# Altium PCB EDA-03518-V3-0_pcb.pcbdoc (part 11 of 14) (continued)
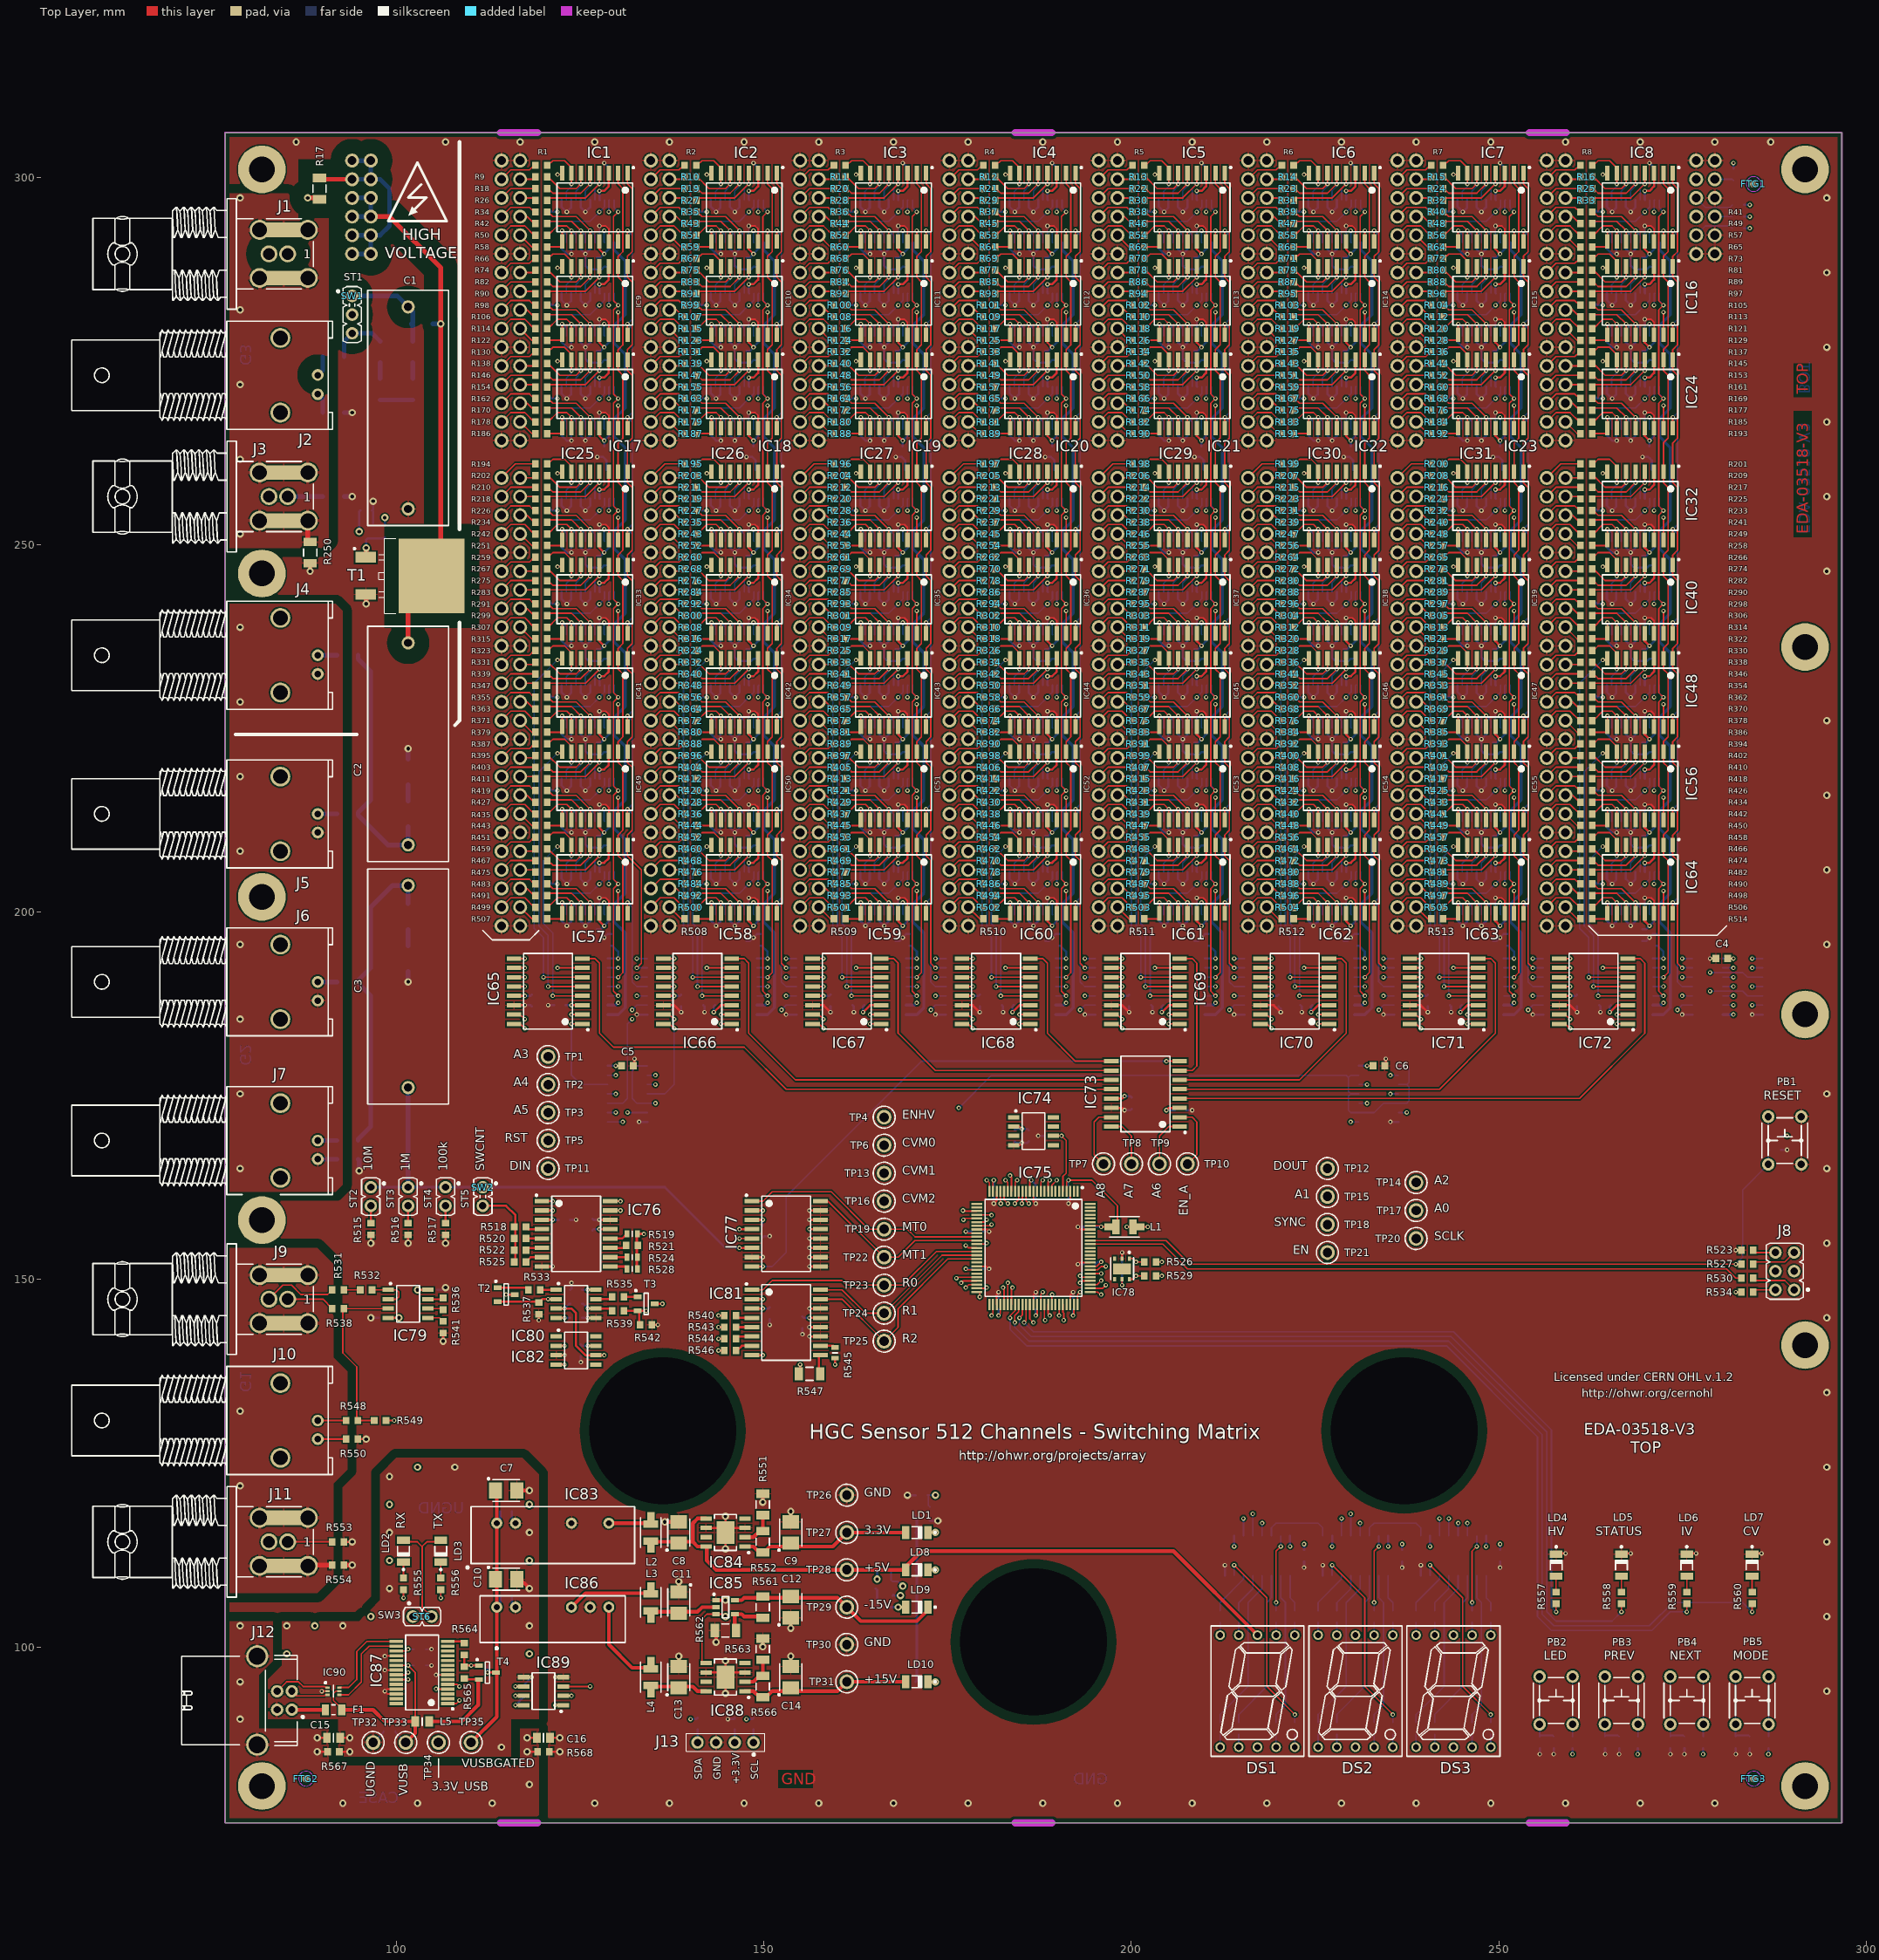
[diagram p0: Top Layer view]
## Nets (pads, with @x,y where several pads share a name; then routed paths per layer and width w, separated by ;. In a path a pad name is that pad's centre, name@x,y a point inside that pad or via, vN(x,y) a via of type N, cw(c..) or ccw(c..) an arc to the next point about the centre after c; other vN are vias at no path point) (continued)
NetIC51_11: IC51.11 IC144.7 R429.2 | length 8.6
  Top Layer w0.203: R429.2@161.138,214.947 161.455,215.265 164.465,215.265 v1(165.735,213.995) IC51.11@165.735,212.52
  Bottom Layer w0.203: v1(165.735,213.995) 166.362,213.368 IC144.7@166.362,212.365
NetIC51_12: IC51.12 IC144.5 R421.2 | length 10.3
  Top Layer w0.203: R421.2@161.138,216.535 161.29,216.535 161.925,215.9 165.1,215.9 v1(167.005,213.995) IC51.12@167.005,212.52
  Bottom Layer w0.203: v1(167.005,213.995) 167.662,213.338 IC144.5@167.662,212.365
NetIC52_4: IC52.4 IC143.20 R414.2 | length 12
  Top Layer w0.203: R414.2@181.458,218.123 181.775,218.44 186.69,218.44 v1(188.595,220.345) IC52.4@188.595,221.82
  Bottom Layer w0.203: IC143.20@187.982,218.165 187.982,219.732 v1(188.595,220.345)
NetIC52_5: IC52.5 IC143.18 R406.2 | length 10.6
  Top Layer w0.203: R406.2@181.458,219.71 181.61,219.71 182.245,219.075 186.055,219.075 v1(187.325,220.345) IC52.5@187.325,221.82
  Bottom Layer w0.203: IC143.18@186.682,218.165 186.682,219.385 187.325,220.028 v1(187.325,220.345)
NetIC52_6: IC52.6 IC143.16 R398.2 | length 9.5
  Top Layer w0.203: R398.2@181.458,221.297 181.61,221.297 183.197,219.71 185.42,219.71 v1(186.055,220.345) IC52.6@186.055,221.82
  Bottom Layer w0.203: IC143.16@185.382,218.165 185.382,219.355 186.055,220.028 v1(186.055,220.345)
NetIC52_7: IC52.7 IC143.14 R390.2 | length 8.7
  Top Layer w0.203: R390.2@181.458,222.885 181.61,222.885 182.245,223.52 183.832,223.52 184.785,222.567 IC52.7@184.785,221.82 v1(184.785,220.345)
  Bottom Layer w0.203: IC143.14@184.082,218.165 184.082,219.325 184.785,220.028 v1(184.785,220.345)
NetIC52_8: IC52.8 IC68.5 | length 38.7
  Top Layer w0.203: v1(181.61,189.865) IC68.5@186.26,189.865 ; v1(182.88,221.615) 183.31,221.615 IC52.8@183.515,221.82
  Bottom Layer w0.203: v1(181.61,189.865) 181.61,196.85 180.34,198.12 180.34,219.075 v1(182.88,221.615)
NetIC52_9: IC52.9 IC143.11 R446.2 | length 6.1
  Top Layer w0.203: R446.2@181.458,211.772 183.515,211.772 IC52.9@183.515,212.52 v1(183.515,213.995)
  Bottom Layer w0.203: v1(183.515,213.995) 184.082,213.428 IC143.11@184.082,212.365
NetIC52_10: IC52.10 IC143.9 R438.2 | length 7.5
  Top Layer w0.203: R438.2@181.458,213.36 181.61,213.36 182.88,214.63 184.15,214.63 v1(184.785,213.995) IC52.10@184.785,212.52
  Bottom Layer w0.203: v1(184.785,213.995) 185.382,213.398 IC143.9@185.382,212.365
NetIC52_11: IC52.11 IC143.7 R430.2 | length 8.6
  Top Layer w0.203: R430.2@181.458,214.947 181.775,215.265 184.785,215.265 v1(186.055,213.995) IC52.11@186.055,212.52
  Bottom Layer w0.203: v1(186.055,213.995) 186.682,213.368 IC143.7@186.682,212.365
NetIC52_12: IC52.12 IC143.5 R422.2 | length 10.3
  Top Layer w0.203: R422.2@181.458,216.535 181.61,216.535 182.245,215.9 185.42,215.9 v1(187.325,213.995) IC52.12@187.325,212.52
  Bottom Layer w0.203: v1(187.325,213.995) 187.982,213.338 IC143.5@187.982,212.365
NetIC53_4: IC53.4 IC142.20 R415.2 | length 12
  Top Layer w0.203: R415.2@201.778,218.123 202.095,218.44 207.01,218.44 v1(208.915,220.345) IC53.4@208.915,221.82
  Bottom Layer w0.203: IC142.20@208.302,218.165 208.302,219.732 v1(208.915,220.345)
NetIC53_5: IC53.5 IC142.18 R407.2 | length 10.6
  Top Layer w0.203: R407.2@201.778,219.71 201.93,219.71 202.565,219.075 206.375,219.075 v1(207.645,220.345) IC53.5@207.645,221.82
  Bottom Layer w0.203: IC142.18@207.002,218.165 207.002,219.385 207.645,220.028 v1(207.645,220.345)
NetIC53_6: IC53.6 IC142.16 R399.2 | length 9.5
  Top Layer w0.203: R399.2@201.778,221.297 201.93,221.297 203.517,219.71 205.74,219.71 v1(206.375,220.345) IC53.6@206.375,221.82
  Bottom Layer w0.203: IC142.16@205.702,218.165 205.702,219.355 206.375,220.028 v1(206.375,220.345)
NetIC53_7: IC53.7 IC142.14 R391.2 | length 8.7
  Top Layer w0.203: R391.2@201.778,222.885 201.93,222.885 202.565,223.52 204.153,223.52 205.105,222.567 IC53.7@205.105,221.82 v1(205.105,220.345)
  Bottom Layer w0.203: IC142.14@204.402,218.165 204.402,219.325 205.105,220.028 v1(205.105,220.345)
NetIC53_8: IC53.8 IC69.5 | length 38.7
  Top Layer w0.203: v1(201.93,189.865) IC69.5@206.58,189.865 ; v1(203.2,221.615) 203.63,221.615 IC53.8@203.835,221.82
  Bottom Layer w0.203: v1(201.93,189.865) 201.93,196.85 200.66,198.12 200.66,219.075 v1(203.2,221.615)
NetIC53_9: IC53.9 IC142.11 R447.2 | length 6.1
  Top Layer w0.203: R447.2@201.778,211.772 203.835,211.772 IC53.9@203.835,212.52 v1(203.835,213.995)
  Bottom Layer w0.203: v1(203.835,213.995) 204.402,213.428 IC142.11@204.402,212.365
NetIC53_10: IC53.10 IC142.9 R439.2 | length 7.5
  Top Layer w0.203: R439.2@201.778,213.36 201.93,213.36 203.2,214.63 204.47,214.63 v1(205.105,213.995) IC53.10@205.105,212.52
  Bottom Layer w0.203: v1(205.105,213.995) 205.702,213.398 IC142.9@205.702,212.365
NetIC53_11: IC53.11 IC142.7 R431.2 | length 8.6
  Top Layer w0.203: R431.2@201.778,214.947 202.095,215.265 205.105,215.265 v1(206.375,213.995) IC53.11@206.375,212.52
  Bottom Layer w0.203: v1(206.375,213.995) 207.002,213.368 IC142.7@207.002,212.365
NetIC53_12: IC53.12 IC142.5 R423.2 | length 10.3
  Top Layer w0.203: R423.2@201.778,216.535 201.93,216.535 202.565,215.9 205.74,215.9 v1(207.645,213.995) IC53.12@207.645,212.52
  Bottom Layer w0.203: v1(207.645,213.995) 208.302,213.338 IC142.5@208.302,212.365
NetIC54_4: IC54.4 IC141.20 R416.2 | length 12
  Top Layer w0.203: R416.2@222.098,218.123 222.415,218.44 227.33,218.44 v1(229.235,220.345) IC54.4@229.235,221.82
  Bottom Layer w0.203: IC141.20@228.622,218.165 228.622,219.732 v1(229.235,220.345)
NetIC54_5: IC54.5 IC141.18 R408.2 | length 10.6
  Top Layer w0.203: R408.2@222.098,219.71 222.25,219.71 222.885,219.075 226.695,219.075 v1(227.965,220.345) IC54.5@227.965,221.82
  Bottom Layer w0.203: IC141.18@227.322,218.165 227.322,219.385 227.965,220.028 v1(227.965,220.345)
NetIC54_6: IC54.6 IC141.16 R400.2 | length 9.5
  Top Layer w0.203: R400.2@222.098,221.297 222.25,221.297 223.837,219.71 226.06,219.71 v1(226.695,220.345) IC54.6@226.695,221.82
  Bottom Layer w0.203: IC141.16@226.022,218.165 226.022,219.355 226.695,220.028 v1(226.695,220.345)
NetIC54_7: IC54.7 IC141.14 R392.2 | length 8.7
  Top Layer w0.203: R392.2@222.098,222.885 222.25,222.885 222.885,223.52 224.472,223.52 225.425,222.567 IC54.7@225.425,221.82 v1(225.425,220.345)
  Bottom Layer w0.203: IC141.14@224.722,218.165 224.722,219.325 225.425,220.028 v1(225.425,220.345)
NetIC54_8: IC54.8 IC70.5 | length 38.7
  Top Layer w0.203: v1(222.25,189.865) IC70.5@226.9,189.865 ; v1(223.52,221.615) 223.95,221.615 IC54.8@224.155,221.82
  Bottom Layer w0.203: v1(222.25,189.865) 222.25,196.85 220.98,198.12 220.98,219.075 v1(223.52,221.615)
NetIC54_9: IC54.9 IC141.11 R448.2 | length 6.1
  Top Layer w0.203: R448.2@222.098,211.772 224.155,211.772 IC54.9@224.155,212.52 v1(224.155,213.995)
  Bottom Layer w0.203: v1(224.155,213.995) 224.722,213.428 IC141.11@224.722,212.365
NetIC54_10: IC54.10 IC141.9 R440.2 | length 7.5
  Top Layer w0.203: R440.2@222.098,213.36 222.25,213.36 223.52,214.63 224.79,214.63 v1(225.425,213.995) IC54.10@225.425,212.52
  Bottom Layer w0.203: v1(225.425,213.995) 226.022,213.398 IC141.9@226.022,212.365
NetIC54_11: IC54.11 IC141.7 R432.2 | length 8.6
  Top Layer w0.203: R432.2@222.098,214.947 222.415,215.265 225.425,215.265 v1(226.695,213.995) IC54.11@226.695,212.52
  Bottom Layer w0.203: v1(226.695,213.995) 227.322,213.368 IC141.7@227.322,212.365
NetIC54_12: IC54.12 IC141.5 R424.2 | length 10.3
  Top Layer w0.203: R424.2@222.098,216.535 222.25,216.535 222.885,215.9 226.06,215.9 v1(227.965,213.995) IC54.12@227.965,212.52
  Bottom Layer w0.203: v1(227.965,213.995) 228.622,213.338 IC141.5@228.622,212.365
NetIC55_4: IC55.4 IC140.20 R417.2 | length 12
  Top Layer w0.203: R417.2@242.418,218.123 242.735,218.44 247.65,218.44 v1(249.555,220.345) IC55.4@249.555,221.82
  Bottom Layer w0.203: IC140.20@248.942,218.165 248.942,219.732 v1(249.555,220.345)
NetIC55_5: IC55.5 IC140.18 R409.2 | length 10.6
  Top Layer w0.203: R409.2@242.418,219.71 242.57,219.71 243.205,219.075 247.015,219.075 v1(248.285,220.345) IC55.5@248.285,221.82
  Bottom Layer w0.203: IC140.18@247.642,218.165 247.642,219.385 248.285,220.028 v1(248.285,220.345)
NetIC55_6: IC55.6 IC140.16 R401.2 | length 9.5
  Top Layer w0.203: R401.2@242.418,221.297 242.57,221.297 244.157,219.71 246.38,219.71 v1(247.015,220.345) IC55.6@247.015,221.82
  Bottom Layer w0.203: IC140.16@246.342,218.165 246.342,219.355 247.015,220.028 v1(247.015,220.345)
NetIC55_7: IC55.7 IC140.14 R393.2 | length 8.7
  Top Layer w0.203: R393.2@242.418,222.885 242.57,222.885 243.205,223.52 244.792,223.52 245.745,222.567 IC55.7@245.745,221.82 v1(245.745,220.345)
  Bottom Layer w0.203: IC140.14@245.042,218.165 245.042,219.325 245.745,220.028 v1(245.745,220.345)
NetIC55_8: IC55.8 IC71.5 | length 38.7
  Top Layer w0.203: v1(242.57,189.865) IC71.5@247.22,189.865 ; v1(243.84,221.615) 244.27,221.615 IC55.8@244.475,221.82
  Bottom Layer w0.203: v1(242.57,189.865) 242.57,196.85 241.3,198.12 241.3,219.075 v1(243.84,221.615)
NetIC55_9: IC55.9 IC140.11 R449.2 | length 6.1
  Top Layer w0.203: R449.2@242.418,211.772 244.475,211.772 IC55.9@244.475,212.52 v1(244.475,213.995)
  Bottom Layer w0.203: v1(244.475,213.995) 245.042,213.428 IC140.11@245.042,212.365
NetIC55_10: IC55.10 IC140.9 R441.2 | length 7.5
  Top Layer w0.203: R441.2@242.418,213.36 242.57,213.36 243.84,214.63 245.11,214.63 v1(245.745,213.995) IC55.10@245.745,212.52
  Bottom Layer w0.203: v1(245.745,213.995) 246.342,213.398 IC140.9@246.342,212.365
NetIC55_11: IC55.11 IC140.7 R433.2 | length 8.6
  Top Layer w0.203: R433.2@242.418,214.947 242.735,215.265 245.745,215.265 v1(247.015,213.995) IC55.11@247.015,212.52
  Bottom Layer w0.203: v1(247.015,213.995) 247.642,213.368 IC140.7@247.642,212.365
NetIC55_12: IC55.12 IC140.5 R425.2 | length 10.3
  Top Layer w0.203: R425.2@242.418,216.535 242.57,216.535 243.205,215.9 246.38,215.9 v1(248.285,213.995) IC55.12@248.285,212.52
  Bottom Layer w0.203: v1(248.285,213.995) 248.942,213.338 IC140.5@248.942,212.365
NetIC56_4: IC56.4 IC139.20 R418.2 | length 12
  Top Layer w0.203: R418.2@262.738,218.123 263.055,218.44 267.97,218.44 v1(269.875,220.345) IC56.4@269.875,221.82
  Bottom Layer w0.203: IC139.20@269.262,218.165 269.262,219.732 v1(269.875,220.345)
NetIC56_5: IC56.5 IC139.18 R410.2 | length 10.6
  Top Layer w0.203: R410.2@262.738,219.71 262.89,219.71 263.525,219.075 267.335,219.075 v1(268.605,220.345) IC56.5@268.605,221.82
  Bottom Layer w0.203: IC139.18@267.962,218.165 267.962,219.385 268.605,220.028 v1(268.605,220.345)
NetIC56_6: IC56.6 IC139.16 R402.2 | length 9.5
  Top Layer w0.203: R402.2@262.738,221.297 262.89,221.297 264.477,219.71 266.7,219.71 v1(267.335,220.345) IC56.6@267.335,221.82
  Bottom Layer w0.203: IC139.16@266.662,218.165 266.662,219.355 267.335,220.028 v1(267.335,220.345)
NetIC56_7: IC56.7 IC139.14 R394.2 | length 8.7
  Top Layer w0.203: R394.2@262.738,222.885 262.89,222.885 263.525,223.52 265.113,223.52 266.065,222.567 IC56.7@266.065,221.82 v1(266.065,220.345)
  Bottom Layer w0.203: IC139.14@265.362,218.165 265.362,219.325 266.065,220.028 v1(266.065,220.345)
NetIC56_8: IC56.8 IC72.5 | length 38.7
  Top Layer w0.203: v1(262.89,189.865) IC72.5@267.54,189.865 ; v1(264.16,221.615) 264.59,221.615 IC56.8@264.795,221.82
  Bottom Layer w0.203: v1(262.89,189.865) 262.89,196.85 261.62,198.12 261.62,219.075 v1(264.16,221.615)
NetIC56_9: IC56.9 IC139.11 R450.2 | length 6.1
  Top Layer w0.203: R450.2@262.738,211.772 264.795,211.772 IC56.9@264.795,212.52 v1(264.795,213.995)
  Bottom Layer w0.203: v1(264.795,213.995) 265.362,213.428 IC139.11@265.362,212.365
NetIC56_10: IC56.10 IC139.9 R442.2 | length 7.5
  Top Layer w0.203: R442.2@262.738,213.36 262.89,213.36 264.16,214.63 265.43,214.63 v1(266.065,213.995) IC56.10@266.065,212.52
  Bottom Layer w0.203: v1(266.065,213.995) 266.662,213.398 IC139.9@266.662,212.365
NetIC56_11: IC56.11 IC139.7 R434.2 | length 8.6
  Top Layer w0.203: R434.2@262.738,214.947 263.055,215.265 266.065,215.265 v1(267.335,213.995) IC56.11@267.335,212.52
  Bottom Layer w0.203: v1(267.335,213.995) 267.962,213.368 IC139.7@267.962,212.365
NetIC56_12: IC56.12 IC139.5 R426.2 | length 10.3
  Top Layer w0.203: R426.2@262.738,216.535 262.89,216.535 263.525,215.9 266.7,215.9 v1(268.605,213.995) IC56.12@268.605,212.52
  Bottom Layer w0.203: v1(268.605,213.995) 269.262,213.338 IC139.5@269.262,212.365
NetIC57_4: IC57.4 IC154.20 R475.2 | length 12
  Top Layer w0.203: R475.2@120.498,205.422 120.815,205.74 125.73,205.74 v1(127.635,207.645) IC57.4@127.635,209.12
  Bottom Layer w0.203: IC154.20@127.022,205.465 127.022,207.032 v1(127.635,207.645)
NetIC57_5: IC57.5 IC154.18 R467.2 | length 10.6
  Top Layer w0.203: R467.2@120.498,207.01 120.65,207.01 121.285,206.375 125.095,206.375 v1(126.365,207.645) IC57.5@126.365,209.12
  Bottom Layer w0.203: IC154.18@125.722,205.465 125.722,206.685 126.365,207.327 v1(126.365,207.645)
NetIC57_6: IC57.6 IC154.16 R459.2 | length 9.5
  Top Layer w0.203: R459.2@120.498,208.597 120.65,208.597 122.237,207.01 124.46,207.01 v1(125.095,207.645) IC57.6@125.095,209.12
  Bottom Layer w0.203: IC154.16@124.422,205.465 124.422,206.655 125.095,207.327 v1(125.095,207.645)
NetIC57_7: IC57.7 IC154.14 R451.2 | length 8.7
  Top Layer w0.203: R451.2@120.498,210.185 120.65,210.185 121.285,210.82 122.872,210.82 123.825,209.867 IC57.7@123.825,209.12 v1(123.825,207.645)
  Bottom Layer w0.203: IC154.14@123.122,205.465 123.122,206.625 123.825,207.327 v1(123.825,207.645)
NetIC57_8: IC57.8 IC65.4 | length 26.4
  Top Layer w0.203: v1(121.285,188.595) IC65.4@125.3,188.595 ; v1(121.92,208.915) 122.35,208.915 IC57.8@122.555,209.12
  Bottom Layer w0.203: v1(121.285,188.595) 121.285,197.167 120.015,198.438 120.015,207.01 v1(121.92,208.915)
NetIC57_9: IC57.9 IC154.11 R507.2 | length 6.1
  Top Layer w0.203: R507.2@120.498,199.072 122.555,199.072 IC57.9@122.555,199.82 v1(122.555,201.295)
  Bottom Layer w0.203: v1(122.555,201.295) 123.122,200.728 IC154.11@123.122,199.665
NetIC57_10: IC57.10 IC154.9 R499.2 | length 7.5
  Top Layer w0.203: R499.2@120.498,200.66 120.65,200.66 121.92,201.93 123.19,201.93 v1(123.825,201.295) IC57.10@123.825,199.82
  Bottom Layer w0.203: v1(123.825,201.295) 124.422,200.698 IC154.9@124.422,199.665
NetIC57_11: IC57.11 IC154.7 R491.2 | length 8.6
  Top Layer w0.203: R491.2@120.498,202.248 120.815,202.565 123.825,202.565 v1(125.095,201.295) IC57.11@125.095,199.82
  Bottom Layer w0.203: v1(125.095,201.295) 125.722,200.668 IC154.7@125.722,199.665
NetIC57_12: IC57.12 IC154.5 R483.2 | length 10.3
  Top Layer w0.203: R483.2@120.498,203.835 120.65,203.835 121.285,203.2 124.46,203.2 v1(126.365,201.295) IC57.12@126.365,199.82
  Bottom Layer w0.203: v1(126.365,201.295) 127.022,200.638 IC154.5@127.022,199.665
NetIC58_4: IC58.4 IC153.20 R476.2 | length 12
  Top Layer w0.203: R476.2@140.818,205.422 141.135,205.74 146.05,205.74 v1(147.955,207.645) IC58.4@147.955,209.12
  Bottom Layer w0.203: IC153.20@147.342,205.465 147.342,207.032 v1(147.955,207.645)
NetIC58_5: IC58.5 IC153.18 R468.2 | length 10.6
  Top Layer w0.203: R468.2@140.818,207.01 140.97,207.01 141.605,206.375 145.415,206.375 v1(146.685,207.645) IC58.5@146.685,209.12
  Bottom Layer w0.203: IC153.18@146.042,205.465 146.042,206.685 146.685,207.327 v1(146.685,207.645)
NetIC58_6: IC58.6 IC153.16 R460.2 | length 9.5
  Top Layer w0.203: R460.2@140.818,208.597 140.97,208.597 142.558,207.01 144.78,207.01 v1(145.415,207.645) IC58.6@145.415,209.12
  Bottom Layer w0.203: IC153.16@144.742,205.465 144.742,206.655 145.415,207.327 v1(145.415,207.645)
NetIC58_7: IC58.7 IC153.14 R452.2 | length 8.7
  Top Layer w0.203: R452.2@140.818,210.185 140.97,210.185 141.605,210.82 143.192,210.82 144.145,209.867 IC58.7@144.145,209.12 v1(144.145,207.645)
  Bottom Layer w0.203: IC153.14@143.442,205.465 143.442,206.625 144.145,207.327 v1(144.145,207.645)
NetIC58_8: IC58.8 IC66.4 | length 26.4
  Top Layer w0.203: v1(141.605,188.595) IC66.4@145.62,188.595 ; v1(142.24,208.915) 142.67,208.915 IC58.8@142.875,209.12
  Bottom Layer w0.203: v1(141.605,188.595) 141.605,197.167 140.335,198.438 140.335,207.01 v1(142.24,208.915)
NetIC58_9: IC58.9 IC153.11 R508.2 | length 6.1
  Top Layer w0.203: R508.2@140.818,199.072 142.875,199.072 IC58.9@142.875,199.82 v1(142.875,201.295)
  Bottom Layer w0.203: v1(142.875,201.295) 143.442,200.728 IC153.11@143.442,199.665
NetIC58_10: IC58.10 IC153.9 R500.2 | length 7.5
  Top Layer w0.203: R500.2@140.818,200.66 140.97,200.66 142.24,201.93 143.51,201.93 v1(144.145,201.295) IC58.10@144.145,199.82
  Bottom Layer w0.203: v1(144.145,201.295) 144.742,200.698 IC153.9@144.742,199.665
NetIC58_11: IC58.11 IC153.7 R492.2 | length 8.6
  Top Layer w0.203: R492.2@140.818,202.248 141.135,202.565 144.145,202.565 v1(145.415,201.295) IC58.11@145.415,199.82
  Bottom Layer w0.203: v1(145.415,201.295) 146.042,200.668 IC153.7@146.042,199.665
NetIC58_12: IC58.12 IC153.5 R484.2 | length 10.3
  Top Layer w0.203: R484.2@140.818,203.835 140.97,203.835 141.605,203.2 144.78,203.2 v1(146.685,201.295) IC58.12@146.685,199.82
  Bottom Layer w0.203: v1(146.685,201.295) 147.342,200.638 IC153.5@147.342,199.665
NetIC59_4: IC59.4 IC152.20 R477.2 | length 12
  Top Layer w0.203: R477.2@161.138,205.422 161.455,205.74 166.37,205.74 v1(168.275,207.645) IC59.4@168.275,209.12
  Bottom Layer w0.203: IC152.20@167.662,205.465 167.662,207.032 v1(168.275,207.645)
NetIC59_5: IC59.5 IC152.18 R469.2 | length 10.6
  Top Layer w0.203: R469.2@161.138,207.01 161.29,207.01 161.925,206.375 165.735,206.375 v1(167.005,207.645) IC59.5@167.005,209.12
  Bottom Layer w0.203: IC152.18@166.362,205.465 166.362,206.685 167.005,207.327 v1(167.005,207.645)
NetIC59_6: IC59.6 IC152.16 R461.2 | length 9.5
  Top Layer w0.203: R461.2@161.138,208.597 161.29,208.597 162.877,207.01 165.1,207.01 v1(165.735,207.645) IC59.6@165.735,209.12
  Bottom Layer w0.203: IC152.16@165.062,205.465 165.062,206.655 165.735,207.327 v1(165.735,207.645)
NetIC59_7: IC59.7 IC152.14 R453.2 | length 8.7
  Top Layer w0.203: R453.2@161.138,210.185 161.29,210.185 161.925,210.82 163.512,210.82 164.465,209.867 IC59.7@164.465,209.12 v1(164.465,207.645)
  Bottom Layer w0.203: IC152.14@163.762,205.465 163.762,206.625 164.465,207.327 v1(164.465,207.645)
NetIC59_8: IC59.8 IC67.4 | length 26.4
  Top Layer w0.203: v1(161.925,188.595) IC67.4@165.94,188.595 ; v1(162.56,208.915) 162.99,208.915 IC59.8@163.195,209.12
  Bottom Layer w0.203: v1(161.925,188.595) 161.925,197.167 160.655,198.438 160.655,207.01 v1(162.56,208.915)
NetIC59_9: IC59.9 IC152.11 R509.2 | length 6.1
  Top Layer w0.203: R509.2@161.138,199.072 163.195,199.072 IC59.9@163.195,199.82 v1(163.195,201.295)
  Bottom Layer w0.203: v1(163.195,201.295) 163.762,200.728 IC152.11@163.762,199.665
NetIC59_10: IC59.10 IC152.9 R501.2 | length 7.5
  Top Layer w0.203: R501.2@161.138,200.66 161.29,200.66 162.56,201.93 163.83,201.93 v1(164.465,201.295) IC59.10@164.465,199.82
  Bottom Layer w0.203: v1(164.465,201.295) 165.062,200.698 IC152.9@165.062,199.665
NetIC59_11: IC59.11 IC152.7 R493.2 | length 8.6
  Top Layer w0.203: R493.2@161.138,202.248 161.455,202.565 164.465,202.565 v1(165.735,201.295) IC59.11@165.735,199.82
  Bottom Layer w0.203: v1(165.735,201.295) 166.362,200.668 IC152.7@166.362,199.665
NetIC59_12: IC59.12 IC152.5 R485.2 | length 10.3
  Top Layer w0.203: R485.2@161.138,203.835 161.29,203.835 161.925,203.2 165.1,203.2 v1(167.005,201.295) IC59.12@167.005,199.82
  Bottom Layer w0.203: v1(167.005,201.295) 167.662,200.638 IC152.5@167.662,199.665
NetIC60_4: IC60.4 IC151.20 R478.2 | length 12
  Top Layer w0.203: R478.2@181.458,205.422 181.775,205.74 186.69,205.74 v1(188.595,207.645) IC60.4@188.595,209.12
  Bottom Layer w0.203: IC151.20@187.982,205.465 187.982,207.032 v1(188.595,207.645)
NetIC60_5: IC60.5 IC151.18 R470.2 | length 10.6
  Top Layer w0.203: R470.2@181.458,207.01 181.61,207.01 182.245,206.375 186.055,206.375 v1(187.325,207.645) IC60.5@187.325,209.12
  Bottom Layer w0.203: IC151.18@186.682,205.465 186.682,206.685 187.325,207.327 v1(187.325,207.645)
NetIC60_6: IC60.6 IC151.16 R462.2 | length 9.5
  Top Layer w0.203: R462.2@181.458,208.597 181.61,208.597 183.197,207.01 185.42,207.01 v1(186.055,207.645) IC60.6@186.055,209.12
  Bottom Layer w0.203: IC151.16@185.382,205.465 185.382,206.655 186.055,207.327 v1(186.055,207.645)
NetIC60_7: IC60.7 IC151.14 R454.2 | length 8.7
  Top Layer w0.203: R454.2@181.458,210.185 181.61,210.185 182.245,210.82 183.832,210.82 184.785,209.867 IC60.7@184.785,209.12 v1(184.785,207.645)
  Bottom Layer w0.203: IC151.14@184.082,205.465 184.082,206.625 184.785,207.327 v1(184.785,207.645)
NetIC60_8: IC60.8 IC68.4 | length 26.4
  Top Layer w0.203: v1(182.245,188.595) IC68.4@186.26,188.595 ; v1(182.88,208.915) 183.31,208.915 IC60.8@183.515,209.12
  Bottom Layer w0.203: v1(182.245,188.595) 182.245,197.167 180.975,198.438 180.975,207.01 v1(182.88,208.915)
NetIC60_9: IC60.9 IC151.11 R510.2 | length 6.1
  Top Layer w0.203: R510.2@181.458,199.072 183.515,199.072 IC60.9@183.515,199.82 v1(183.515,201.295)
  Bottom Layer w0.203: v1(183.515,201.295) 184.082,200.728 IC151.11@184.082,199.665
NetIC60_10: IC60.10 IC151.9 R502.2 | length 7.5
  Top Layer w0.203: R502.2@181.458,200.66 181.61,200.66 182.88,201.93 184.15,201.93 v1(184.785,201.295) IC60.10@184.785,199.82
  Bottom Layer w0.203: v1(184.785,201.295) 185.382,200.698 IC151.9@185.382,199.665
NetIC60_11: IC60.11 IC151.7 R494.2 | length 8.6
  Top Layer w0.203: R494.2@181.458,202.248 181.775,202.565 184.785,202.565 v1(186.055,201.295) IC60.11@186.055,199.82
  Bottom Layer w0.203: v1(186.055,201.295) 186.682,200.668 IC151.7@186.682,199.665
NetIC60_12: IC60.12 IC151.5 R486.2 | length 10.3
  Top Layer w0.203: R486.2@181.458,203.835 181.61,203.835 182.245,203.2 185.42,203.2 v1(187.325,201.295) IC60.12@187.325,199.82
  Bottom Layer w0.203: v1(187.325,201.295) 187.982,200.638 IC151.5@187.982,199.665
NetIC61_4: IC61.4 IC150.20 R479.2 | length 12
  Top Layer w0.203: R479.2@201.778,205.422 202.095,205.74 207.01,205.74 v1(208.915,207.645) IC61.4@208.915,209.12
  Bottom Layer w0.203: IC150.20@208.302,205.465 208.302,207.032 v1(208.915,207.645)
NetIC61_5: IC61.5 IC150.18 R471.2 | length 10.6
  Top Layer w0.203: R471.2@201.778,207.01 201.93,207.01 202.565,206.375 206.375,206.375 v1(207.645,207.645) IC61.5@207.645,209.12
  Bottom Layer w0.203: IC150.18@207.002,205.465 207.002,206.685 207.645,207.327 v1(207.645,207.645)
NetIC61_6: IC61.6 IC150.16 R463.2 | length 9.5
  Top Layer w0.203: R463.2@201.778,208.597 201.93,208.597 203.517,207.01 205.74,207.01 v1(206.375,207.645) IC61.6@206.375,209.12
  Bottom Layer w0.203: IC150.16@205.702,205.465 205.702,206.655 206.375,207.327 v1(206.375,207.645)
NetIC61_7: IC61.7 IC150.14 R455.2 | length 8.7
  Top Layer w0.203: R455.2@201.778,210.185 201.93,210.185 202.565,210.82 204.153,210.82 205.105,209.867 IC61.7@205.105,209.12 v1(205.105,207.645)
  Bottom Layer w0.203: IC150.14@204.402,205.465 204.402,206.625 205.105,207.327 v1(205.105,207.645)
NetIC61_8: IC61.8 IC69.4 | length 26.4
  Top Layer w0.203: v1(202.565,188.595) IC69.4@206.58,188.595 ; v1(203.2,208.915) 203.63,208.915 IC61.8@203.835,209.12
  Bottom Layer w0.203: v1(202.565,188.595) 202.565,197.167 201.295,198.438 201.295,207.01 v1(203.2,208.915)
NetIC61_9: IC61.9 IC150.11 R511.2 | length 6.1
  Top Layer w0.203: R511.2@201.778,199.072 203.835,199.072 IC61.9@203.835,199.82 v1(203.835,201.295)
  Bottom Layer w0.203: v1(203.835,201.295) 204.402,200.728 IC150.11@204.402,199.665
NetIC61_10: IC61.10 IC150.9 R503.2 | length 7.5
  Top Layer w0.203: R503.2@201.778,200.66 201.93,200.66 203.2,201.93 204.47,201.93 v1(205.105,201.295) IC61.10@205.105,199.82
  Bottom Layer w0.203: v1(205.105,201.295) 205.702,200.698 IC150.9@205.702,199.665
NetIC61_11: IC61.11 IC150.7 R495.2 | length 8.6
  Top Layer w0.203: R495.2@201.778,202.248 202.095,202.565 205.105,202.565 v1(206.375,201.295) IC61.11@206.375,199.82
  Bottom Layer w0.203: v1(206.375,201.295) 207.002,200.668 IC150.7@207.002,199.665
NetIC61_12: IC61.12 IC150.5 R487.2 | length 10.3
  Top Layer w0.203: R487.2@201.778,203.835 201.93,203.835 202.565,203.2 205.74,203.2 v1(207.645,201.295) IC61.12@207.645,199.82
  Bottom Layer w0.203: v1(207.645,201.295) 208.302,200.638 IC150.5@208.302,199.665
NetIC62_4: IC62.4 IC149.20 R480.2 | length 12
  Top Layer w0.203: R480.2@222.098,205.422 222.415,205.74 227.33,205.74 v1(229.235,207.645) IC62.4@229.235,209.12
  Bottom Layer w0.203: IC149.20@228.622,205.465 228.622,207.032 v1(229.235,207.645)
NetIC62_5: IC62.5 IC149.18 R472.2 | length 10.6
  Top Layer w0.203: R472.2@222.098,207.01 222.25,207.01 222.885,206.375 226.695,206.375 v1(227.965,207.645) IC62.5@227.965,209.12
  Bottom Layer w0.203: IC149.18@227.322,205.465 227.322,206.685 227.965,207.327 v1(227.965,207.645)
NetIC62_6: IC62.6 IC149.16 R464.2 | length 9.5
  Top Layer w0.203: R464.2@222.098,208.597 222.25,208.597 223.837,207.01 226.06,207.01 v1(226.695,207.645) IC62.6@226.695,209.12
  Bottom Layer w0.203: IC149.16@226.022,205.465 226.022,206.655 226.695,207.327 v1(226.695,207.645)
NetIC62_7: IC62.7 IC149.14 R456.2 | length 8.7
  Top Layer w0.203: R456.2@222.098,210.185 222.25,210.185 222.885,210.82 224.472,210.82 225.425,209.867 IC62.7@225.425,209.12 v1(225.425,207.645)
  Bottom Layer w0.203: IC149.14@224.722,205.465 224.722,206.625 225.425,207.327 v1(225.425,207.645)
NetIC62_8: IC62.8 IC70.4 | length 26.4
  Top Layer w0.203: v1(222.885,188.595) IC70.4@226.9,188.595 ; v1(223.52,208.915) 223.95,208.915 IC62.8@224.155,209.12
  Bottom Layer w0.203: v1(222.885,188.595) 222.885,197.167 221.615,198.438 221.615,207.01 v1(223.52,208.915)
NetIC62_9: IC62.9 IC149.11 R512.2 | length 6.1
  Top Layer w0.203: R512.2@222.098,199.072 224.155,199.072 IC62.9@224.155,199.82 v1(224.155,201.295)
  Bottom Layer w0.203: v1(224.155,201.295) 224.722,200.728 IC149.11@224.722,199.665
NetIC62_10: IC62.10 IC149.9 R504.2 | length 7.5
  Top Layer w0.203: R504.2@222.098,200.66 222.25,200.66 223.52,201.93 224.79,201.93 v1(225.425,201.295) IC62.10@225.425,199.82
  Bottom Layer w0.203: v1(225.425,201.295) 226.022,200.698 IC149.9@226.022,199.665
NetIC62_11: IC62.11 IC149.7 R496.2 | length 8.6
  Top Layer w0.203: R496.2@222.098,202.248 222.415,202.565 225.425,202.565 v1(226.695,201.295) IC62.11@226.695,199.82
  Bottom Layer w0.203: v1(226.695,201.295) 227.322,200.668 IC149.7@227.322,199.665
NetIC62_12: IC62.12 IC149.5 R488.2 | length 10.3
  Top Layer w0.203: R488.2@222.098,203.835 222.25,203.835 222.885,203.2 226.06,203.2 v1(227.965,201.295) IC62.12@227.965,199.82
  Bottom Layer w0.203: v1(227.965,201.295) 228.622,200.638 IC149.5@228.622,199.665
NetIC63_4: IC63.4 IC148.20 R481.2 | length 12
  Top Layer w0.203: R481.2@242.418,205.422 242.735,205.74 247.65,205.74 v1(249.555,207.645) IC63.4@249.555,209.12
  Bottom Layer w0.203: IC148.20@248.942,205.465 248.942,207.032 v1(249.555,207.645)
NetIC63_5: IC63.5 IC148.18 R473.2 | length 10.6
  Top Layer w0.203: R473.2@242.418,207.01 242.57,207.01 243.205,206.375 247.015,206.375 v1(248.285,207.645) IC63.5@248.285,209.12
  Bottom Layer w0.203: IC148.18@247.642,205.465 247.642,206.685 248.285,207.327 v1(248.285,207.645)
NetIC63_6: IC63.6 IC148.16 R465.2 | length 9.5
  Top Layer w0.203: R465.2@242.418,208.597 242.57,208.597 244.157,207.01 246.38,207.01 v1(247.015,207.645) IC63.6@247.015,209.12
  Bottom Layer w0.203: IC148.16@246.342,205.465 246.342,206.655 247.015,207.327 v1(247.015,207.645)
NetIC63_7: IC63.7 IC148.14 R457.2 | length 8.7
  Top Layer w0.203: R457.2@242.418,210.185 242.57,210.185 243.205,210.82 244.792,210.82 245.745,209.867 IC63.7@245.745,209.12 v1(245.745,207.645)
  Bottom Layer w0.203: IC148.14@245.042,205.465 245.042,206.625 245.745,207.327 v1(245.745,207.645)
NetIC63_8: IC63.8 IC71.4 | length 26.4
  Top Layer w0.203: v1(243.205,188.595) IC71.4@247.22,188.595 ; v1(243.84,208.915) 244.27,208.915 IC63.8@244.475,209.12
  Bottom Layer w0.203: v1(243.205,188.595) 243.205,197.167 241.935,198.438 241.935,207.01 v1(243.84,208.915)
NetIC63_9: IC63.9 IC148.11 R513.2 | length 6.1
  Top Layer w0.203: R513.2@242.418,199.072 244.475,199.072 IC63.9@244.475,199.82 v1(244.475,201.295)
  Bottom Layer w0.203: v1(244.475,201.295) 245.042,200.728 IC148.11@245.042,199.665
NetIC63_10: IC63.10 IC148.9 R505.2 | length 7.5
  Top Layer w0.203: R505.2@242.418,200.66 242.57,200.66 243.84,201.93 245.11,201.93 v1(245.745,201.295) IC63.10@245.745,199.82
  Bottom Layer w0.203: v1(245.745,201.295) 246.342,200.698 IC148.9@246.342,199.665
NetIC63_11: IC63.11 IC148.7 R497.2 | length 8.6
  Top Layer w0.203: R497.2@242.418,202.248 242.735,202.565 245.745,202.565 v1(247.015,201.295) IC63.11@247.015,199.82
  Bottom Layer w0.203: v1(247.015,201.295) 247.642,200.668 IC148.7@247.642,199.665
NetIC63_12: IC63.12 IC148.5 R489.2 | length 10.3
  Top Layer w0.203: R489.2@242.418,203.835 242.57,203.835 243.205,203.2 246.38,203.2 v1(248.285,201.295) IC63.12@248.285,199.82
  Bottom Layer w0.203: v1(248.285,201.295) 248.942,200.638 IC148.5@248.942,199.665